# Altium PCB Archimajor.PcbDoc (part 9 of 12) (continued)
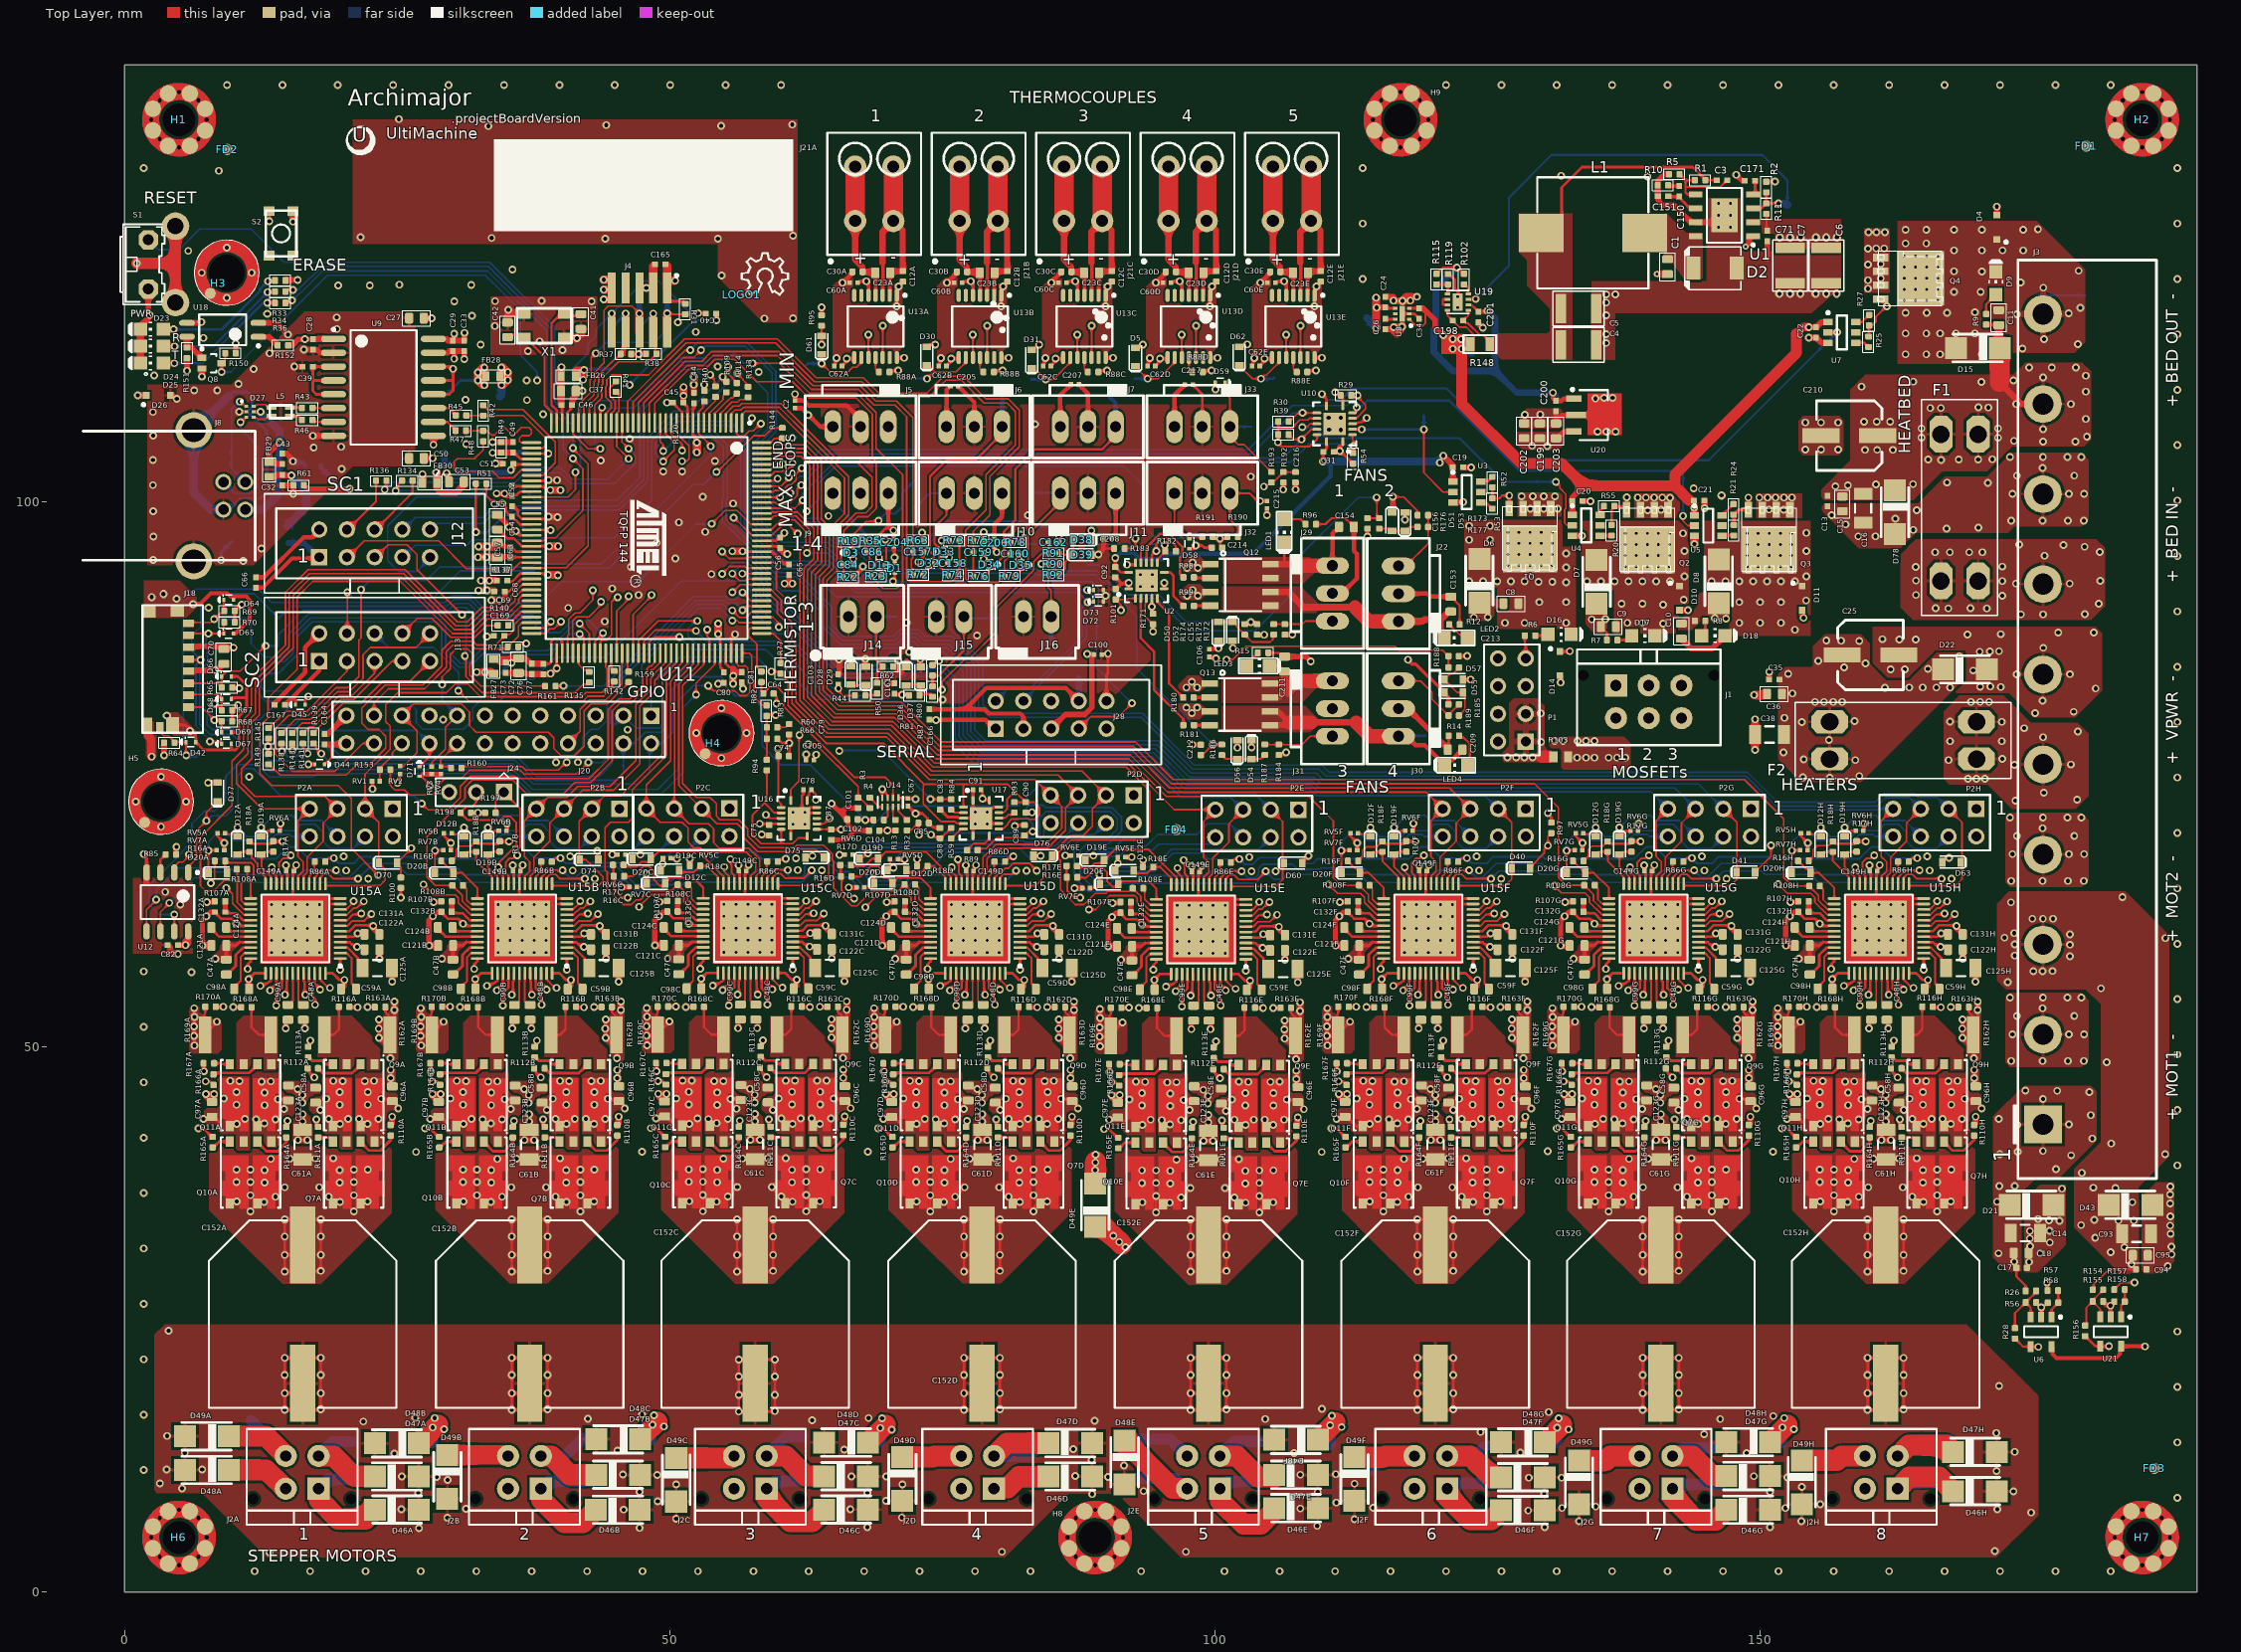
[diagram p0: Top Layer view]
## Nets (pads, with @x,y where several pads share a name; then routed paths per layer and width w, separated by ;. In a path a pad name is that pad's centre, name@x,y a point inside that pad or via, vN(x,y) a via of type N, cw(c..) or ccw(c..) an arc to the next point about the centre after c; other vN are vias at no path point) (continued)
  Top Layer w0.229: U15G.48@142.958,56.735 143.241,56.735
  Top Layer w0.254: 143.241,56.735 143.622,56.735 144.236,56.122 v1(144.693,56.122) ; C96G.2@149.087,45.003 149.206,45.003 149.447,44.761 149.447,44.643 149.538,44.552 149.538,44.422 v1(149.625,44.335)
  Top Layer w0.406: C59G.2@144.394,55.284 144.693,55.583 v1(144.693,56.122)
  Top Layer w1.905: J2G.2@141.926,12.47 143.748,12.47 145.548,10.67 146.817,10.67 D47G.K@146.867,10.619
  Mid1 w0.254: v1(144.693,56.122) 144.693,52.942 147.55,50.085 149.5,50.085 150.075,49.51 150.075,44.91 149.625,44.46 v1(149.625,44.335)
  Bottom Layer w1.016: J2G.2@141.926,12.47 142.201,12.47 142.945,13.215 TP3G.1@146.014,13.215
  other v1: 146.8,42.91 146.05,43.385 147.825,43.385 146.837,44.68 148.071,45.23 146.837,45.83 146.562,46.855 147.412,46.86
OBAH: C59H.2 C96H.2 D47H.K J2H.2 Q7H.1 Q9H.7 TP3H.1 U15H.48 | length 39.3
  Top Layer w0.203: v1@166.7,43.338 167.167,42.871 167.442,42.871 v1@167.45,42.863 ; Q9H.7@166.829,42.725 166.967,42.863 v1@167.45,42.863 ; v1@167.213,46.808 167.217,46.813 168.063,46.813 167.488,46.238 167.488,44.633 167.585,44.536 167.585,44.229 168.475,43.338 168,42.863 v1@167.45,42.863 ; v1@168.721,45.183 v1@168.774,45.131 ; v1@168.8,45.105 v1@168.774,45.131 ; C96H.2@169.621,45.131 v1@168.774,45.131
  Top Layer w0.229: U15H.48@163.608,56.735 163.891,56.735
  Top Layer w0.254: 163.891,56.735 164.272,56.735 164.886,56.122 v1(165.343,56.122) ; C96H.2@169.737,45.003 169.856,45.003 170.097,44.761 170.097,44.643 170.188,44.552 170.188,44.422 v1(170.275,44.335)
  Top Layer w0.406: C59H.2@165.044,55.284 165.343,55.583 v1(165.343,56.122)
  Top Layer w1.905: J2H.2@162.576,12.47 162.61,12.47 163.593,13.452 167.055,13.452 D47H.K@167.67,12.838
  Mid1 w0.254: v1(165.343,56.122) 165.343,52.942 168.2,50.085 170.15,50.085 170.725,49.51 170.725,44.91 170.275,44.46 v1(170.275,44.335)
  Bottom Layer w1.016: J2H.2@162.576,12.47 164.073,13.967 TP3H.1@167.471,13.967
  other v1: 167.45,42.91 166.7,43.385 168.475,43.385 167.488,44.68 168.721,45.23 167.488,45.83 167.213,46.855 168.063,46.86
OBBA: C48A.2 C58A.2 D46A.K J2A.1 Q7A.3 Q9A.5 TP12A.1 U15A.45 | length 79.7
  Top Layer w0.203: v1@18.561,45.235 18.59,45.264 19.06,45.264 v1@19.725,45.928 ; v1(18.737,43.385) 18.737,43.248 18.84,43.145 18.84,42.999 Q9A.5@19.114,42.725 19.853,42.725 v1(20.512,43.385) 19.725,44.172 v1(19.725,44.68) v1(19.725,45.83) v1@19.725,45.928 ; v1(19.15,46.86) 19.152,46.858 19.998,46.858 v1(20,46.855) 20,46.203 v1@19.725,45.928
  Top Layer w0.229: C48A.2@16.412,52.47 16.535,52.347 16.535,51.796 16.416,51.677 v1(16.535,51.677) ; U15A.45@16.932,56.735 16.932,55.359 17.253,55.038 17.253,54.617 17.475,54.395 v1(17.475,53.836)
  Top Layer w1.905: J2A.1@17.791,9.47 17.855,9.406 17.855,8.436 19.614,6.677 22.111,6.677 D46A.K@22.983,7.548
  Mid1 w0.254: v1(17.475,53.836) 17.012,53.373 17.012,52.153 v1(16.535,51.677) 16.535,51.245 16.383,51.093 16.383,50.23 16.739,49.875 16.739,46.827 17.678,45.887 17.678,44.463 v1(17.958,44.184) v1@18.034,44.108
  Mid1 w2.54: J2A.1@17.791,9.47 18.484,9.47 24.5,15.486 24.5,40.71 24.125,41.085 20.5,41.085 19.625,41.96 v1@19.625,45.91
  Bottom Layer w1.016: J2A.1@17.791,9.47 18.663,10.342 TP12A.1@22.427,10.342
  other v1: 19.762,42.91 18.491,45.23
OBBB: C48B.2 C58B.2 D46B.K J2B.1 Q7B.3 Q9B.5 TP12B.1 U15B.45 | length 80.1
  Top Layer w0.203: v1@39.336,45.235 39.365,45.264 39.835,45.264 v1@40.5,45.928 ; v1(39.512,43.385) 39.512,43.248 39.615,43.145 39.615,42.999 Q9B.5@39.889,42.725 40.628,42.725 v1(41.287,43.385) 40.5,44.172 v1(40.5,44.68) v1(40.5,45.83) v1@40.5,45.928 ; v1(39.925,46.86) 39.927,46.858 40.773,46.858 v1(40.775,46.855) 40.775,46.203 v1@40.5,45.928
  Top Layer w0.229: C48B.2@37.187,52.47 37.31,52.347 37.31,51.796 37.191,51.677 v1(37.31,51.677) ; U15B.45@37.707,56.735 37.707,55.359 38.028,55.038 38.028,54.617 38.25,54.395 v1(38.25,53.836)
  Top Layer w1.905: J2B.1@38.175,9.47 38.239,9.406 38.239,8.438 40.337,6.34 42.042,6.34 D46B.K@43.231,7.529
  Mid1 w0.254: v1(38.25,53.836) 37.787,53.373 37.787,52.153 v1(37.31,51.677) 37.31,51.245 37.158,51.093 37.158,50.23 37.514,49.875 37.514,46.827 38.453,45.887 38.453,44.463 v1(38.733,44.184) v1@38.809,44.108
  Mid1 w2.54: J2B.1@38.175,9.47 38.871,9.47 45.275,15.874 45.275,40.71 44.9,41.085 41.275,41.085 40.4,41.96 v1@40.4,45.91
  Bottom Layer w1.016: J2B.1@38.175,9.47 38.869,10.164 TP12B.1@42.992,10.164
  other v1: 40.537,42.91 39.266,45.23
OBBC: C48C.2 C58C.2 D46C.K J2C.1 Q7C.3 Q9C.5 TP12C.1 U15C.45 | length 80.5
  Top Layer w0.203: v1@60.044,45.259 60.073,45.288 60.543,45.288 v1@61.208,45.953 ; v1(60.22,43.409) 60.22,43.272 60.323,43.169 60.323,43.023 Q9C.5@60.596,42.75 61.335,42.75 v1(61.995,43.409) 61.208,44.197 v1(61.208,44.705) v1(61.208,45.855) v1@61.208,45.953 ; v1(60.633,46.884) 60.635,46.882 61.481,46.882 v1(61.483,46.88) 61.483,46.228 v1@61.208,45.953
  Top Layer w0.229: C48C.2@57.895,52.495 58.018,52.372 58.018,51.82 57.899,51.701 v1(58.018,51.701) ; U15C.45@58.415,56.76 58.415,55.383 58.736,55.062 58.736,54.641 58.958,54.419 v1(58.958,53.86)
  Top Layer w1.905: J2C.1@58.883,9.47 58.947,9.406 58.947,8.553 61.061,6.439 63.05,6.439 D46C.K@64.165,7.555
  Mid1 w0.254: v1(58.958,53.86) 58.495,53.397 58.495,52.178 v1(58.018,51.701) 58.018,51.27 57.866,51.117 57.866,50.255 58.221,49.899 58.221,46.851 59.161,45.911 59.161,44.488 v1(59.441,44.208) v1@59.517,44.132
  Mid1 w2.54: J2C.1@58.883,9.47 59.515,9.47 65.983,15.938 65.983,40.734 65.608,41.109 61.983,41.109 61.108,41.984 v1@61.108,45.934
  Bottom Layer w1.016: J2C.1@58.883,9.47 59.597,10.183 TP12C.1@63.933,10.183
  other v1: 61.245,42.934 59.974,45.255
OBBD: C48D.2 C58D.2 D46D.K J2D.1 Q7D.3 Q9D.5 TP12D.1 U15D.45 | length 78.8
  Top Layer w0.203: v1@80.886,45.235 80.915,45.264 81.385,45.264 v1@82.05,45.928 ; v1(81.062,43.385) 81.062,43.248 81.165,43.145 81.165,42.999 Q9D.5@81.439,42.725 82.178,42.725 v1(82.837,43.385) 82.05,44.172 v1(82.05,44.68) v1(82.05,45.83) v1@82.05,45.928 ; v1(81.475,46.86) 81.477,46.858 82.323,46.858 v1(82.325,46.855) 82.325,46.203 v1@82.05,45.928
  Top Layer w0.229: C48D.2@78.737,52.47 78.86,52.347 78.86,51.796 78.741,51.677 v1(78.86,51.677) ; U15D.45@79.257,56.735 79.257,55.359 79.578,55.038 79.578,54.617 79.8,54.395 v1(79.8,53.836)
  Top Layer w1.905: J2D.1@79.725,9.47 79.789,9.533 80.956,9.533 82.002,10.579 D46D.K@84.717,10.579
  Mid1 w0.254: v1(79.8,53.836) 79.337,53.373 79.337,52.153 v1(78.86,51.677) 78.86,51.245 78.708,51.093 78.708,50.23 79.064,49.875 79.064,46.827 80.003,45.887 80.003,44.463 v1(80.283,44.184) v1@80.359,44.108
  Mid1 w2.54: J2D.1@79.725,9.47 80.496,9.47 86.825,15.799 86.825,40.71 86.45,41.085 82.825,41.085 81.95,41.96 v1@81.95,45.91
  Bottom Layer w1.016: J2D.1@79.725,9.47 80.32,10.064 TP12D.1@85.172,10.064
  other v1: 82.087,42.91 80.816,45.23
OBBE: C48E.2 C58E.2 D46E.K J2E.1 Q7E.3 Q9E.5 TP12E.1 U15E.45 | length 79.6
  Top Layer w0.203: v1@101.594,45.159 101.623,45.188 102.093,45.188 v1@102.758,45.853 ; v1(101.77,43.309) 101.77,43.172 101.873,43.069 101.873,42.923 Q9E.5@102.146,42.65 102.885,42.65 v1(103.545,43.309) 102.758,44.097 v1(102.758,44.605) v1(102.758,45.755) v1@102.758,45.853 ; v1(102.183,46.784) 102.185,46.782 103.031,46.782 v1(103.033,46.78) 103.033,46.128 v1@102.758,45.853
  Top Layer w0.229: C48E.2@99.445,52.395 99.568,52.272 99.568,51.72 99.449,51.601 v1(99.568,51.601) ; U15E.45@99.965,56.66 99.965,55.283 100.286,54.962 100.286,54.541 100.508,54.319 v1(100.508,53.76)
  Top Layer w1.905: J2E.1@100.433,9.47 100.497,9.406 100.497,8.331 102.61,6.217 104.188,6.217 D46E.K@105.401,7.429
  Mid1 w0.254: v1(100.508,53.76) 100.045,53.297 100.045,52.078 v1(99.568,51.601) 99.568,51.17 99.416,51.017 99.416,50.155 99.771,49.799 99.771,46.751 100.711,45.811 100.711,44.388 v1(100.991,44.108) v1@101.067,44.032
  Mid1 w2.54: J2E.1@100.433,9.47 101.061,9.47 107.533,15.942 107.533,40.634 107.158,41.009 103.533,41.009 102.658,41.884 v1@102.658,45.834
  Bottom Layer w1.016: J2E.1@100.433,9.47 101.107,10.144 TP12E.1@104.786,10.144
  other v1: 102.795,42.834 101.524,45.155
OBBF: C48F.2 C58F.2 D46F.K J2F.1 Q7F.3 Q9F.5 TP12F.1 U15F.45 | length 79
  Top Layer w0.203: v1@122.436,45.235 122.465,45.264 122.935,45.264 v1@123.6,45.928 ; v1(122.612,43.385) 122.612,43.248 122.715,43.145 122.715,42.999 Q9F.5@122.989,42.725 123.728,42.725 v1(124.387,43.385) 123.6,44.172 v1(123.6,44.68) v1(123.6,45.83) v1@123.6,45.928 ; v1(123.025,46.86) 123.027,46.858 123.873,46.858 v1(123.875,46.855) 123.875,46.203 v1@123.6,45.928
  Top Layer w0.229: C48F.2@120.287,52.47 120.41,52.347 120.41,51.796 120.291,51.677 v1(120.41,51.677) ; U15F.45@120.807,56.735 120.807,55.359 121.128,55.038 121.128,54.617 121.35,54.395 v1(121.35,53.836)
  Top Layer w1.905: J2F.1@121.275,9.47 121.339,9.406 121.339,8.694 123.435,6.597 125.312,6.597 D46F.K@126.203,7.489
  Mid1 w0.254: v1(121.35,53.836) 120.887,53.373 120.887,52.153 v1(120.41,51.677) 120.41,51.245 120.258,51.093 120.258,50.23 120.614,49.875 120.614,46.827 121.553,45.887 121.553,44.463 v1(121.833,44.184) v1@121.909,44.108
  Mid1 w2.54: J2F.1@121.275,9.47 121.883,9.47 128.375,15.962 128.375,40.71 128,41.085 124.375,41.085 123.5,41.96 v1@123.5,45.91
  Bottom Layer w1.016: J2F.1@121.275,9.47 121.771,9.965 TP12F.1@125.588,9.965
  other v1: 123.637,42.91 122.366,45.23
OBBG: C48G.2 C58G.2 D46G.K J2G.1 Q7G.3 Q9G.5 TP12G.1 U15G.45 | length 79.1
  Top Layer w0.203: v1@143.086,45.235 143.115,45.264 143.585,45.264 v1@144.25,45.928 ; v1(143.262,43.385) 143.262,43.248 143.365,43.145 143.365,42.999 Q9G.5@143.639,42.725 144.378,42.725 v1(145.037,43.385) 144.25,44.172 v1(144.25,44.68) v1(144.25,45.83) v1@144.25,45.928 ; v1(143.675,46.86) 143.677,46.858 144.523,46.858 v1(144.525,46.855) 144.525,46.203 v1@144.25,45.928
  Top Layer w0.229: C48G.2@140.938,52.47 141.061,52.347 141.061,51.796 140.942,51.677 v1(141.061,51.677) ; U15G.45@141.458,56.735 141.458,55.359 141.778,55.038 141.778,54.617 142,54.395 v1(142,53.836)
  Top Layer w1.905: J2G.1@141.926,9.47 141.989,9.406 141.989,8.642 144.073,6.558 145.897,6.558 D46G.K@146.867,7.528
  Mid1 w0.254: v1(142,53.836) 141.537,53.373 141.537,52.153 v1(141.061,51.677) 141.061,51.245 140.908,51.093 140.908,50.23 141.264,49.875 141.264,46.827 142.204,45.887 142.204,44.463 v1(142.483,44.184) v1@142.559,44.108
  Mid1 w2.54: J2G.1@141.926,9.47 142.527,9.47 149.025,15.968 149.025,40.71 148.65,41.085 145.025,41.085 144.15,41.96 v1@144.15,45.91
  Bottom Layer w1.016: J2G.1@141.926,9.47 142.322,9.866 TP12G.1@146.331,9.866
  other v1: 144.287,42.91 143.016,45.23
OBBH: C48H.2 C58H.2 D46H.K J2H.1 Q7H.3 Q9H.5 TP12H.1 U15H.45 | length 78.8
  Top Layer w0.203: v1@163.737,45.235 163.765,45.264 164.236,45.264 v1@164.9,45.928 ; v1(163.913,43.385) 163.913,43.248 164.016,43.145 164.016,42.999 Q9H.5@164.289,42.725 165.028,42.725 v1(165.688,43.385) 164.9,44.172 v1(164.9,44.68) v1(164.9,45.83) v1@164.9,45.928 ; v1(164.325,46.86) 164.328,46.858 165.173,46.858 v1(165.175,46.855) 165.175,46.203 v1@164.9,45.928
  Top Layer w0.229: C48H.2@161.588,52.47 161.711,52.347 161.711,51.796 161.592,51.677 v1(161.711,51.677) ; U15H.45@162.108,56.735 162.108,55.359 162.429,55.038 162.429,54.617 162.651,54.395 v1(162.651,53.836)
  Top Layer w1.905: J2H.1@162.576,9.47 163.646,10.54 166.362,10.54 D46H.K@167.67,9.232
  Mid1 w0.254: v1(162.651,53.836) 162.187,53.373 162.187,52.153 v1(161.711,51.677) 161.711,51.245 161.558,51.093 161.558,50.23 161.914,49.875 161.914,46.827 162.854,45.887 162.854,44.463 v1(163.133,44.184) v1@163.209,44.108
  Mid1 w2.54: J2H.1@162.576,9.47 163.171,9.47 169.675,15.974 169.675,40.71 169.3,41.085 165.675,41.085 164.8,41.96 v1@164.8,45.91
  Bottom Layer w1.016: J2H.1@162.576,9.47 163.111,10.005 TP12H.1@167.51,10.005
  other v1: 164.938,42.91 163.666,45.23
PA0_CANTX0: R134.1 U11.23 | length 29.4
  Top Layer w0.152: v3@24.873,100.972 v3(24.867,100.978) 25.095,101.207 25.095,101.535 R134.1@25.453,101.893 ; U11.23@45.629,107.188 45.618,107.177 45.618,105.44 v1(46.23,104.828)
  Mid1 w0.152: v3(24.867,100.978) v3@24.867,101.143
  Bottom Layer w0.152: v3@24.883,100.98 29.441,100.98 30.175,101.715 35.802,101.715 36.716,102.629 39.934,102.629 40.95,101.613 44.946,101.613 46.888,103.556 46.888,104.17 v1(46.23,104.828)
PA1_CANRX0: R41.1 R136.1 U11.24 | length 32
  Top Layer w0.152: v3(23.856,101.075) 24.026,101.245 R136.1@24.026,101.893 ; R41.1@45.339,110.097 45.348,110.088 45.348,108.277 45.132,108.061 45.132,107.191 U11.24@45.129,107.188 45.129,105.031 45.967,104.193 45.976,104.193 46.228,103.941 v1(46.228,103.912)
  Bottom Layer w0.152: v3(23.856,101.075) 24.382,101.602 ; 24.383,101.604 24.558,101.778 29.679,101.778 29.972,102.071 35.649,102.071 36.665,103.087 39.98,103.087 41.021,102.045 44.317,102.045 46.184,103.912 v1(46.228,103.912)
PA3_AD2: R142.1 U11.84 | length 1.7
  Top Layer w0.203: U11.84@44.629,86.088 44.629,84.515 R142.1@44.704,84.44
PA5_PWM: R41.2 U11.25 | length 4.7
  Top Layer w0.152: U11.25@44.629,107.188 44.629,108.034 44.776,108.182 44.776,108.209 44.992,108.424 44.992,109.202 44.478,109.717 44.478,110.376 44.572,110.47 44.572,110.483 45.101,111.011 R41.2@45.314,111.011
PA8_URXD: D73.C J28.4 U11.27 | length 79.9
  Top Layer w0.152: U11.27@43.629,107.188 43.629,108.444 v1(43.786,108.601) ; v1(88.257,91.867) D73.C@88.857,91.866
  Bottom Layer w0.152: v1(43.786,108.601) 43.743,108.601 43.793,108.551 46.685,108.551 50.923,112.79 53.373,112.79 53.948,113.365 55.587,113.365 58.979,109.973 58.979,106.62 57.673,105.315 57.673,97.873 59.396,96.151 59.396,95.655 60.143,94.907 60.143,94.901 60.515,94.529 64.616,94.529 67.131,92.015 87.587,92.015 87.736,91.867 v1(88.257,91.867) 88.942,91.182 88.942,90.503 88.211,89.771 88.211,87.492 88.212,87.491 J28.4@82.417,81.696
PA9_UTXD: D72.C J28.2 U11.2 | length 62
  Top Layer w0.152: U11.2@56.129,107.188 56.129,106.199 56.32,106.008 56.822,106.008 57.278,106.464 57.657,106.464 58.305,107.112 v1(58.344,107.112) ; v1(88.307,90.766) 88.807,90.766 D72.C@88.857,90.816
  Bottom Layer w0.152: v1(58.344,107.112) 58.344,106.66 57.318,105.634 57.318,97.726 59.04,96.004 59.04,95.507 59.787,94.76 59.787,94.754 60.368,94.174 64.469,94.174 66.983,91.659 87.413,91.659 v1(88.307,90.766) 87.818,90.277 87.818,87.6 83.099,82.881 81.062,82.881 J28.2@79.877,81.696
PA12_RXD1: R133.2 U11.5 | length 3.8
  Top Layer w0.152: U11.5@54.629,107.188 54.629,108.04 55.685,109.096 56.218,109.096 56.444,109.322 56.489,109.322 56.502,109.335 56.858,109.335 R133.2@56.972,109.449
PA13_TXD1: R114.2 U11.6 | length 3.6
  Top Layer w0.152: U11.6@54.129,107.188 54.129,108.077 55.322,109.27 55.356,109.27 55.537,109.451 55.549,109.451 55.597,109.5 55.753,109.5 R114.2@56.134,109.881
PA14_RTS1: R109.1 U11.7 | length 3.5
  Top Layer w0.152: U11.7@53.629,107.188 53.629,108.092 53.805,108.268 53.817,108.268 54.889,109.341 54.889,109.705 R109.1@55.194,110.01
PA15_CTS1: R120.1 U11.8 | length 2.8
  Top Layer w0.152: U11.8@53.129,107.188 53.129,108.171 54.153,109.195 R120.1@54.153,109.31
  Top Layer w0.203: R120.1@54.153,109.31 54.153,109.525 54.204,109.576 R120.1@54.204,109.578
PA16: R135.2 U11.78 | length 2.1
  Top Layer w0.152: U11.78@41.629,86.088 41.638,86.078 41.638,85.06 42.162,84.536 R135.2@42.472,84.536
PA17_SDA: J20.22 R40.2 U11.9 | length 73.6
  Top Layer w0.152: v1(21.692,91.923) 21.692,87.466 21.488,87.262 21.488,83.935 20.459,82.906 19.385,82.906 16.858,80.379 15.062,80.379 13.812,79.129 13.812,76.845 15.406,75.251 19.307,75.251 21.869,77.814 J20.22@22.885,77.814 ; R40.2@53.188,109.169 53.034,109.016 53.034,108.611 52.629,108.205 U11.9@52.629,107.188 52.629,106.248 53.746,105.131 v1(53.746,105.042)
  Bottom Layer w0.152: v1(21.692,91.923) 22.504,92.736 27.673,92.736 28.924,93.987 37.37,93.987 37.655,94.271 43.763,94.271 53.746,104.255 v1(53.746,105.042)
PA18_SCL: J20.21 R71.2 U11.70 | length 20.4
  Top Layer w0.152: J20.21@22.885,80.354 22.885,81.497 24.206,82.817 27.452,82.817 27.528,82.817 ; 27.452,82.816 27.527,82.816 27.528,82.817 ; R71.2@35.145,86.64 R71.2@35.129,86.656 ; U11.70@37.329,88.888 36.449,88.888 36.119,88.558 36.119,87.643 35.132,86.656 R71.2@35.129,86.656 ; 27.528,82.817 29.51,84.799 29.51,86.246 30.081,86.817 31.821,86.817 32.157,86.481 34.954,86.481 R71.2@35.129,86.656
PA25_MISO: J20.4 R60.2 R66.2 R83.1 R94.1 R138.1 TP76.1 | length 63.6
  Top Layer w0.152: R138.1@14.402,77.791 14.402,77.153 v1(14.453,77.102)
  Top Layer w0.165: R66.2@58.868,78.234 R83.1@58.868,80.329 59.01,80.472 v1@59.702,80.472 ; R66.2@58.885,78.234 58.893,78.227 R94.1@58.893,76.309
  Bottom Layer w0.152: v1(14.453,77.102) 15.011,76.544 15.645,76.544 16.154,77.053 16.154,77.124 16.603,77.572 18.357,77.572 19.64,76.289 35.782,76.289 37.641,74.429 45.019,74.429 TP76.1@45.7,75.11 45.745,75.155 J20.4@45.745,77.814 46.711,77.814 47.74,78.843 49.209,78.843 49.708,79.342 49.708,83.06 52.007,85.359 55.493,85.359 58.218,82.635 58.218,81.876 v1(59.702,80.392)
PA26_MOSI: C90.1 J20.3 R77.1 R93.1 R143.2 TP75.1 U17.2 U17.5 U17.9 U17.12 | length 105.3
  Top Layer w0.152: v1@15.384,77.162 15.392,77.17 v1(15.392,77.191) ; v1(59.315,84.392) 59.98,84.392 R77.1@60.168,84.204
  Top Layer w0.165: R77.1@60.168,84.204 60.177,84.204 60.39,83.992 60.39,83.982 60.847,83.526 60.847,81.303 64.34,77.809 69.593,77.809 73.347,74.055 ; U17.5@76.919,70.46 76.897,70.482 76.301,70.482 76.148,70.634 74.868,70.634 73.243,72.26 73.243,73.951 73.347,74.055 ; U17.2@76.919,71.96 76.919,74.032 76.943,74.055 ; U17.9@80.181,69.96 80.472,69.96 80.546,70.034 80.617,70.034 80.995,70.412 80.995,70.498 81.373,70.877 81.941,70.877 81.958,70.894 82.901,70.894 82.952,70.843 83.466,70.843 83.475,70.834 83.877,71.237 83.877,71.925 83.393,72.409 C90.1@82.643,72.409 82.638,72.414 C90.1@82.628,72.414 ; U17.12@80.181,71.46 80.203,71.482 80.615,71.482 80.918,71.784 80.918,72.684 81.643,73.409 ; R93.1@81.593,72.414 C90.1@82.628,72.414 ; 73.347,74.055 76.943,74.055 ; 76.943,74.055 80.997,74.055 81.643,73.409 ; 81.643,73.409 82.421,72.632 82.421,72.622 C90.1@82.628,72.414
  Top Layer w0.508: v1@15.384,77.162 R143.2@15.384,77.788
  Bottom Layer w0.152: v1(15.392,77.191) 15.43,77.191 16.167,77.927 18.504,77.927 19.788,76.644 35.93,76.644 37.789,74.785 43.5,74.785 44.7,75.985 44.7,79.308 J20.3@45.745,80.354 46.875,79.224 49.051,79.224 49.327,79.5 49.327,82.683 TP75.1@48.625,83.385 ; TP75.1@48.891,83.651 50.955,85.715 57.991,85.715 v1(59.315,84.392)
PA27_SCLK: C102.2 J20.2 R4.1 R139.2 TP77.1 | length 69.4
  Top Layer w0.152: R139.2@17.348,77.788 17.577,77.56 17.577,77.331 v1(18.034,76.874)
  Top Layer w0.165: C102.2@67.218,70.834 67.243,70.809 67.918,70.809 v1(67.943,70.784) R4.1@68.668,70.784
  Bottom Layer w0.152: v1(18.034,76.874) 18.975,75.933 35.635,75.933 37.494,74.074 47.064,74.074 TP77.1@48.15,75.16 48.15,77.678 J20.2@48.285,77.814
  Bottom Layer w0.165: J20.2@48.285,77.814 49.297,77.814 50.268,78.784 50.268,82.809 51.374,83.916 54.699,83.916 55.159,83.456 55.159,83.019 56.009,82.169 56.966,82.169 56.977,82.18 57.402,82.18 58.468,81.114 58.468,77.584 60.218,75.834 62.893,75.834 v1(67.943,70.784)
PA28_CS0: J20.1 U11.111 | length 18.7
  Top Layer w0.152: v3(55.728,89.078) 56.159,89.078 56.35,88.888 U11.111@58.429,88.888
  Bottom Layer w0.152: J20.1@48.285,80.354 48.285,82.431 47.422,83.295 47.422,85.007 52.625,90.209 54.61,90.209 v3@55.702,89.117
PA29_CS: R141.2 U11.112 | length 68.5
  Top Layer w0.152: R141.2@16.366,77.788 16.366,77.323 16.789,76.899 v1(16.789,76.861) ; U11.112@58.429,89.388 59.447,89.388 60,88.835 v1(60,88.485)
  Bottom Layer w0.152: v1(16.789,76.861) 16.117,76.188 14.864,76.188 14.842,76.21 13.325,76.21 12.45,77.085 12.45,77.835 14.125,79.51 15.6,79.51 17.6,81.51 26.15,81.51 26.75,80.91 26.75,79.71 27.35,79.11 31.05,79.11 31.925,79.985 31.925,81.035 32.625,81.735 34.425,81.735 36.35,83.66 37.475,83.66 39.5,85.685 44.05,85.685 51.065,92.7 57.022,92.7 57.898,91.824 57.898,90.587 v1(60,88.485)
PB0_ETXCK: R153.1 U11.113 | length 47.7
  Top Layer w0.152: R153.1@24.377,75.411 24.377,73.958 24.8,73.535 25.675,73.535 26.125,73.085 28.225,73.085 28.6,73.46 28.6,73.612 28.61,73.622 28.61,73.82 29.287,74.497 29.323,74.497 29.436,74.61 30.912,74.61 31.638,75.336 36.318,75.336 36.65,75.004 41.469,75.004 v1(42.525,76.06) ; v1(55.733,90.006) 56.365,89.375 57.002,89.375 57.51,89.883 58.424,89.883 U11.113@58.429,89.888 U11.113@58.433,89.891
  Bottom Layer w0.152: v1(42.525,76.06) 43.775,76.06 44.344,76.629 44.344,79.455 44.59,79.701 44.59,81.08 45.622,82.111 45.622,83.709 52.477,90.564 54.865,90.564 55.423,90.006 v1(55.733,90.006)
PB1_ETXEN: R160.1 U11.114 | length 36.9
  Top Layer w0.152: R160.1@30.901,75.692 36.465,75.692 36.797,75.36 39.773,75.36 40.473,76.06 v1(40.55,76.06) ; v1(56.671,90.01) 57.049,90.388 U11.114@58.429,90.388 U11.114@58.456,90.415
  Bottom Layer w0.152: v1(40.55,76.06) 42,77.51 42,78.335 42.774,79.109 43.449,79.109 44.235,79.895 44.235,81.395 45.266,82.426 45.266,83.856 52.33,90.92 55.033,90.92 55.321,90.632 55.461,90.632 55.47,90.641 56.039,90.641 v1(56.671,90.01)
PB2_ETX0: R161.2 U11.115 | length 23
  Top Layer w0.152: R161.2@39.53,83.061 39.542,83.073 40.25,83.073 v1(40.262,83.086) ; v1(56.67,91.651) 57.434,90.888 U11.115@58.429,90.888
  Bottom Layer w0.152: v1(40.262,83.086) 40.288,83.06 43.967,83.06 52.183,91.276 55.194,91.276 55.473,90.997 56.017,90.997 v1(56.67,91.651)
PB12_AD8: J20.8 U11.86 | length 11.2
  Top Layer w0.152: J20.8@40.665,77.814 41.772,78.92 41.772,79.778 41.772,80.914 42.638,81.781 44.13,81.781 45.623,83.274 U11.86@45.623,86.066
PB13_AD9: R159.2 U11.87 | length 1.7
  Top Layer w0.152: R159.2@46.129,84.394 U11.87@46.129,86.088
PB25_TIOA0: R144.1 U11.144 | length 2.1
  Top Layer w0.152: U11.144@58.429,105.388 59.231,105.388 59.622,105.779 R144.1@60.318,105.779
PB27_TIOB0: R140.1 U11.68 | length 2.7
  Top Layer w0.203: R140.1@35.202,88.609 35.202,88.713 36.376,89.888 U11.68@37.329,89.888
PC2_PWML0: R137.2 U11.59 | length 2.6
  Top Layer w0.152: R137.2@35.001,93.726 35.611,93.726 36.272,94.388 U11.59@37.329,94.388
PC8_PWML3: U11.66
RESET: C40.1 J4.10 S1.1 TP56.1 U11.47 | length 87
  Top Layer w0.152: U11.47@37.329,100.388 40.672,100.388 41.351,101.067 v3(41.351,102.68) ; J4.10@44.677,115.517 J4.10@44.679,115.519 ; v1(52.588,117.26) 53.263,117.26 C40.1@53.288,117.235
  Top Layer w0.61: J4.10@44.679,115.519 v1(44.679,117.218)
  Bottom Layer w0.152: S1.1@2.184,123.991 3.099,123.076 5.029,123.076 6.912,124.959 11.618,124.959 14.657,121.921 33.49,121.921 39.433,115.977 39.433,109.143 40.613,107.963 41.808,107.963 ; v3(41.351,102.68) 41.808,103.137 41.808,107.061 41.808,107.963 ; v1(52.588,117.26) 51.871,117.26 50.571,118.559 50.571,118.6 48.96,120.211 47.587,120.211 47.215,119.839 47.215,119.755 v1(44.679,117.218) 43.262,115.802 43.262,115.169 42.462,114.368 42.462,113.526 41.237,112.301 41.237,109.258 41.808,108.687 41.808,107.963
SCLK_M1BUS: C104.2 R13.1 U12.6 U15A.14 U15B.14 U15C.14 U15D.14 | length 123.7
  Top Layer w0.152: U12.6@3.302,60.571 3.302,62.352 4.121,63.171 v1(4.121,63.196)
  Top Layer w0.165: C104.2@69.218,69.809 69.23,69.822 69.945,69.822 v1(69.958,69.834) 69.963,69.829 R13.1@70.693,69.829
  Top Layer w0.166: U15A.14@17.932,64.935 17.932,65.433 17.95,65.451 17.95,65.51 18.262,65.822 18.713,65.822 19.125,65.41 v1(21.425,65.41) ; U15B.14@38.707,64.935 38.707,65.433 38.725,65.451 38.725,65.51 39.037,65.822 39.488,65.822 39.9,65.41 v1(42.2,65.41) ; U15C.14@59.415,64.96 59.415,65.457 59.433,65.475 59.433,65.534 59.745,65.846 60.196,65.846 60.608,65.434 62.262,65.434 v1(63.012,66.184) ; U15D.14@80.257,64.935 80.257,65.433 80.275,65.451 80.275,65.51 80.587,65.822 81.397,65.822 v1@81.603,66.028
  Mid1 w0.257: v1(69.958,69.834) 71.039,68.753 78.979,68.753 79.094,68.638 83.864,68.638 84.768,67.734 84.768,67.334 84.468,67.034 84.46,67.034 84.274,66.849 82.749,66.849 82.699,66.798 82.357,66.798 81.684,66.126 v1(81.748,66.126)
  Bottom Layer w0.152: v1(4.121,63.196) 6.41,65.484 6.992,65.484 7.518,66.01
  Bottom Layer w0.166: 7.518,66.01 9.2,66.01 10.15,65.06 21.057,65.06 v1@21.407,65.41 ; v1(21.425,65.41) v1@21.407,65.41 ; v1(42.2,65.41) v1@42.182,65.41 ; v1(63.012,66.184) 63.079,66.184 63.085,66.178 v1@63.085,66.116 ; v1(81.748,66.126) 81.745,66.126 80.679,65.06 72.242,65.06 71.492,64.31 67.675,64.31 66.459,65.526 63.675,65.526 v1@63.085,66.116 ; v1@21.407,65.41 22.348,66.351 25.341,66.351 25.907,65.785 30.2,65.785 30.925,65.06 41.832,65.06 v1@42.182,65.41 ; v1@42.182,65.41 42.882,66.11 44.267,66.11 45.101,65.276 45.891,65.276 46.833,64.334 50.65,64.334 51.4,65.084 62.138,65.084 62.802,65.747 62.802,65.815 63.085,66.098 v1@63.085,66.116
SCLK_M2BUS: C85.2 R32.1 U15E.14 U15F.14 U15G.14 U15H.14 | length 133.6
  Top Layer w0.165: R32.1@71.743,69.829 71.827,69.914 72.197,69.914 72.589,70.305 72.599,70.305 C85.2@72.793,70.499 ; C85.2@72.793,70.509 C85.2@72.793,70.499 ; v1(72.843,69.434) 72.809,69.469 72.809,69.923 72.793,69.939 C85.2@72.793,70.499
  Top Layer w0.166: U15E.14@100.965,64.86 100.965,65.357 100.983,65.375 100.983,65.434 101.295,65.746 101.746,65.746 102.158,65.334 103.885,65.334 v1(104.635,66.084) ; U15F.14@121.807,64.935 121.807,65.433 121.825,65.451 121.825,65.51 122.137,65.822 122.588,65.822 123,65.41 v1(125.3,65.41) ; U15G.14@142.458,64.935 142.458,65.433 142.475,65.451 142.475,65.51 142.787,65.822 143.238,65.822 143.65,65.41 v1(145.95,65.41) ; U15H.14@163.108,64.935 163.108,65.433 163.125,65.451 163.125,65.51 163.437,65.822 163.889,65.822 164.3,65.41 v1(166.6,65.41)
  Bottom Layer w0.166: v1(72.843,69.434) 73.593,70.184 74.647,70.184 75.238,69.593 82.286,69.593 82.787,69.092 83.533,69.092 83.909,69.468 83.909,70.048 83.876,70.08 83.876,70.939 84.484,71.546 90.422,71.546 91.029,70.939 91.029,69.921 90.168,69.059 87.718,69.059 87.068,68.409 87.068,65.549 88.383,64.234 90.306,64.234 91.056,64.984 103.688,64.984 104.352,65.647 104.352,65.715 104.635,65.998 v1@104.635,66.078 ; v1(104.635,66.084) v1@104.635,66.078 ; v1(125.3,65.41) v1@125.282,65.41 ; v1(145.95,65.41) v1@145.932,65.41 ; v1(166.6,65.41) 166.582,65.41 166.232,65.06 155.325,65.06 154.6,65.785 150.432,65.785 150.107,66.11 146.632,66.11 v1@145.932,65.41 ; v1@104.635,66.078 105.369,65.344 106.147,65.344 106.587,65.785 113.3,65.785 114.025,65.06 124.932,65.06 v1@125.282,65.41 ; v1@125.282,65.41 125.982,66.11 129.457,66.11 129.782,65.785 133.95,65.785 134.675,65.06 145.582,65.06 v1@145.932,65.41
SCLK_TCBUS: C101.2 R3.1 U13A.10 U13B.10 U13C.10 U13D.10 U13E.10 | length 140.3
  Top Layer w0.165: v1(62.693,77.734) 63.373,77.734 67.268,73.84 C101.2@67.268,72.83 67.447,72.651 67.571,72.651 68.121,72.102 68.121,72.092 68.333,71.879 R3.1@68.343,71.879 ; U13A.10@68.215,113.189 v1(68.215,115.284) ; U13B.10@77.791,113.189 v1(77.791,115.284) ; U13C.10@87.366,113.189 v1(87.366,115.284) ; U13D.10@96.942,113.189 v1(96.942,115.284) ; U13E.10@106.518,113.189 v1(106.518,115.284)
  Mid1 w0.257: v1(62.693,77.734) 64.618,79.659 72.518,79.659 73.768,80.909 75.668,80.909 79.318,84.559 96.343,84.559 117.097,105.313 117.097,109.258 111.071,115.284 v1(96.942,115.284) v1(87.366,115.284) v1(68.215,115.284)